# KiCad board hvd-68-hd-panel.kicad_pcb (continued)
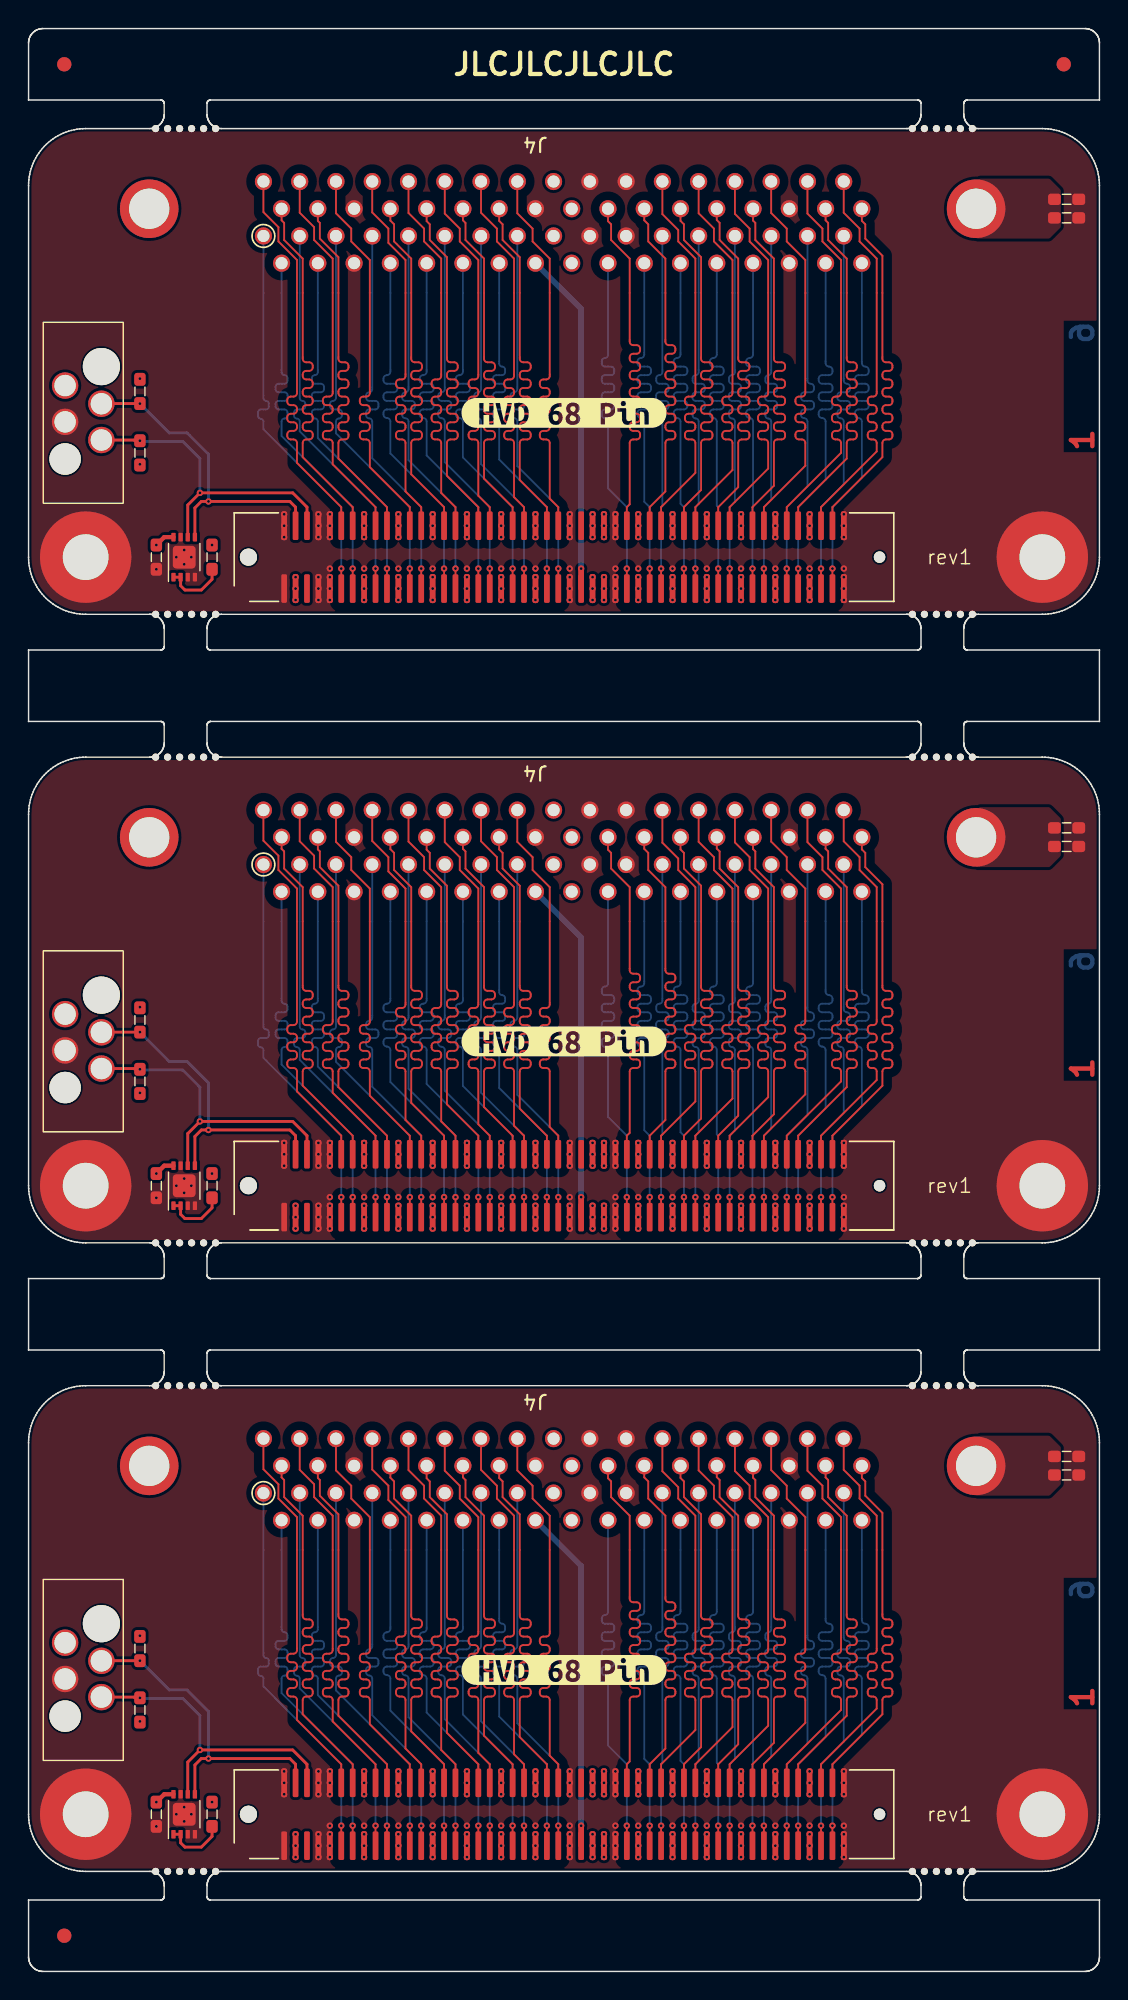
[diagram p0: board, top side]
## Routing (per net, layer and track width the routed paths; a pad name or vN(x,y) marks a point on that pad's centre or on a via; arc(x,y) is an arc through that point) (continued)
Board_0-/CON.DP1-: length 29.2
  Top w0.128: J4.39 21.53,123.07 22.6,122 22.6,121.1 23.9,119.8 23.9,110.48 arc(23.83,110.31) 23.66,110.24 23.44,110.24 arc(23.27,110.17) 23.2,110 23.2,109.88 arc(23.27,109.71) 23.44,109.64 23.66,109.64 arc(23.83,109.57) 23.9,109.4 23.9,109.28 arc(23.83,109.11) 23.66,109.04 23.44,109.04 arc(23.27,108.97) 23.2,108.8 23.2,108.68 arc(23.27,108.51) 23.44,108.44 23.66,108.44 arc(23.83,108.37) 23.9,108.2 23.9,108.08 arc(23.83,107.91) 23.66,107.84 23.44,107.84 arc(23.27,107.77) 23.2,107.6 23.2,107.48 arc(23.27,107.31) 23.44,107.24 23.66,107.24 arc(23.83,107.17) 23.9,107 23.9,105.3 26.7,102.5 J1#3.24
Board_0-/CON.I/O+: length 27.9
  Top w0.128: J1#3.85 v1(51.5,98.2)
  Bottom w0.128: J4.29 52.01,111.94 arc(51.95,111.8) 51.81,111.74 arc(51.66,111.68) 51.61,111.54 51.61,111.34 arc(51.66,111.2) 51.81,111.14 52.22,111.14 arc(52.36,111.08) 52.42,110.93 52.42,110.75 arc(52.36,110.6) 52.22,110.54 51.8,110.54 arc(51.66,110.48) 51.6,110.33 51.6,110.15 arc(51.66,110) 51.8,109.94 52.22,109.94 arc(52.36,109.88) 52.42,109.73 52.42,109.55 arc(52.36,109.4) 52.22,109.34 51.81,109.34 arc(51.66,109.28) 51.61,109.14 51.61,108.91 arc(51.66,108.76) 51.81,108.7 arc(51.95,108.64) 52.01,108.5 52.01,103.01 51.5,102.5 v1(51.5,98.2)
Board_0-/CON.I/O-: length 29.2
  Top w0.128: J4.63 52.01,123.09 53.1,122 53.1,121.1 54.4,119.8 54.4,110.48 arc(54.33,110.31) 54.16,110.24 53.95,110.24 arc(53.78,110.17) 53.71,110 53.71,109.88 arc(53.78,109.71) 53.95,109.64 54.16,109.64 arc(54.33,109.57) 54.4,109.4 54.4,109.28 arc(54.33,109.11) 54.16,109.04 53.95,109.04 arc(53.78,108.97) 53.71,108.8 53.71,108.68 arc(53.78,108.51) 53.95,108.44 54.16,108.44 arc(54.33,108.37) 54.4,108.2 54.4,108.08 arc(54.33,107.91) 54.16,107.84 53.95,107.84 arc(53.78,107.77) 53.71,107.6 53.71,107.48 arc(53.78,107.31) 53.95,107.24 54.16,107.24 arc(54.33,107.17) 54.4,107 54.4,105.4 51.5,102.5 J1#3.86
Board_0-/CON.MSG+: length 27.9
  Top w0.128: J1#3.73 v1(46.7,98.2)
  Bottom w0.128: J4.25 46.93,111.95 arc(46.87,111.8) 46.72,111.74 arc(46.57,111.68) 46.51,111.53 46.51,111.35 arc(46.57,111.2) 46.72,111.14 47.14,111.14 arc(47.3,111.08) 47.36,110.93 47.36,110.76 arc(47.3,110.6) 47.14,110.54 46.72,110.54 arc(46.56,110.48) 46.5,110.33 46.5,110.16 arc(46.56,110) 46.72,109.94 47.14,109.94 arc(47.3,109.88) 47.36,109.73 47.36,109.56 arc(47.3,109.4) 47.14,109.34 46.72,109.34 arc(46.57,109.28) 46.51,109.13 46.51,108.92 arc(46.57,108.77) 46.72,108.71 arc(46.87,108.65) 46.93,108.5 46.93,102.73 46.7,102.5 v1(46.7,98.2)
Board_0-/CON.MSG-: length 29.2
  Top w0.128: J1#3.74 46.7,102.5 49.3,105.1 49.3,107 arc(49.23,107.17) 49.06,107.24 48.83,107.24 arc(48.66,107.31) 48.59,107.48 48.59,107.6 arc(48.66,107.77) 48.83,107.84 49.06,107.84 arc(49.23,107.91) 49.3,108.08 49.3,108.2 arc(49.23,108.37) 49.06,108.44 48.83,108.44 arc(48.66,108.51) 48.59,108.68 48.59,108.8 arc(48.66,108.97) 48.83,109.04 49.06,109.04 arc(49.23,109.11) 49.3,109.28 49.3,109.4 arc(49.23,109.57) 49.06,109.64 48.83,109.64 arc(48.66,109.71) 48.59,109.88 48.59,110 arc(48.66,110.17) 48.83,110.24 49.06,110.24 arc(49.23,110.31) 49.3,110.48 49.3,119.8 48,121.1 48,122 46.93,123.07 J4.59
Board_0-/CON.REQ+: length 27.9
  Top w0.128: J1#3.83 v1(50.7,98.2)
  Bottom w0.128: J4.28 50.74,113.18 arc(50.67,113.01) 50.5,112.94 50.49,112.94 arc(50.32,112.87) 50.25,112.7 50.25,112.58 arc(50.32,112.41) 50.49,112.34 50.99,112.34 arc(51.16,112.27) 51.23,112.1 51.23,111.98 arc(51.16,111.81) 50.99,111.74 50.49,111.74 arc(50.32,111.67) 50.25,111.5 50.25,111.38 arc(50.32,111.21) 50.49,111.14 50.99,111.14 arc(51.16,111.07) 51.23,110.9 51.23,110.78 arc(51.16,110.61) 50.99,110.54 50.49,110.54 arc(50.32,110.47) 50.25,110.3 50.25,110.18 arc(50.32,110.01) 50.49,109.94 50.99,109.94 arc(51.16,109.87) 51.23,109.7 51.23,109.58 arc(51.16,109.41) 50.99,109.34 50.49,109.34 arc(50.32,109.27) 50.25,109.1 50.25,108.98 arc(50.32,108.81) 50.49,108.74 50.5,108.74 arc(50.67,108.67) 50.74,108.5 50.74,102.54 50.7,102.5 v1(50.7,98.2)
Board_0-/CON.REQ-: length 29.2
  Top w0.128: J4.62 50.74,122.56 50.9,122.4 50.9,121.2 52.2,119.9 52.2,112.88 arc(52.27,112.71) 52.44,112.64 52.75,112.64 arc(52.91,112.57) 52.99,112.4 52.99,112.28 arc(52.91,112.11) 52.75,112.04 52.44,112.04 arc(52.27,111.97) 52.2,111.8 52.2,111.68 arc(52.27,111.51) 52.44,111.44 52.75,111.44 arc(52.91,111.37) 52.99,111.2 52.99,111.08 arc(52.91,110.91) 52.75,110.84 52.44,110.84 arc(52.27,110.77) 52.2,110.6 52.2,110.48 arc(52.27,110.31) 52.44,110.24 52.75,110.24 arc(52.91,110.17) 52.99,110 52.99,109.88 arc(52.91,109.71) 52.75,109.64 52.44,109.64 arc(52.27,109.57) 52.2,109.4 52.2,109.28 arc(52.27,109.11) 52.44,109.04 52.75,109.04 arc(52.91,108.97) 52.99,108.8 52.99,108.68 arc(52.91,108.51) 52.75,108.44 52.44,108.44 arc(52.27,108.37) 52.2,108.2 52.2,108.08 arc(52.27,107.91) 52.44,107.84 52.75,107.84 arc(52.91,107.77) 52.99,107.6 52.99,107.48 arc(52.91,107.31) 52.75,107.24 52.44,107.24 arc(52.27,107.17) 52.2,107 52.2,104 50.7,102.5 J1#3.84
Board_0-/CON.RST+: length 27.9
  Top w0.128: J1#3.71 v1(45.9,98.2)
  Bottom w0.128: v1(45.9,98.2) 45.9,102.5 45.66,102.74 45.66,108.5 arc(45.59,108.67) 45.42,108.74 arc(45.25,108.81) 45.18,108.98 45.18,109.1 arc(45.25,109.27) 45.42,109.34 45.9,109.34 arc(46.07,109.41) 46.14,109.58 46.14,109.7 arc(46.07,109.87) 45.9,109.94 45.42,109.94 arc(45.25,110.01) 45.18,110.18 45.18,110.3 arc(45.25,110.47) 45.42,110.54 45.9,110.54 arc(46.07,110.61) 46.14,110.78 46.14,110.9 arc(46.07,111.07) 45.9,111.14 45.42,111.14 arc(45.25,111.21) 45.18,111.38 45.18,111.5 arc(45.25,111.67) 45.42,111.74 45.9,111.74 arc(46.07,111.81) 46.14,111.98 46.14,112.1 arc(46.07,112.27) 45.9,112.34 45.42,112.34 arc(45.25,112.41) 45.18,112.58 45.18,112.7 arc(45.25,112.87) 45.42,112.94 arc(45.59,113.01) 45.66,113.18 J4.24
Board_0-/CON.RST-: length 29.2
  Top w0.128: J4.58 45.66,122.54 45.9,122.3 45.9,121.2 47.1,120 47.1,112.88 arc(47.17,112.71) 47.34,112.64 47.66,112.64 arc(47.83,112.57) 47.9,112.4 47.9,112.28 arc(47.83,112.11) 47.66,112.04 47.34,112.04 arc(47.17,111.97) 47.1,111.8 47.1,111.68 arc(47.17,111.51) 47.34,111.44 47.66,111.44 arc(47.83,111.37) 47.9,111.2 47.9,111.08 arc(47.83,110.91) 47.66,110.84 47.34,110.84 arc(47.17,110.77) 47.1,110.6 47.1,110.48 arc(47.17,110.31) 47.34,110.24 47.66,110.24 arc(47.83,110.17) 47.9,110 47.9,109.88 arc(47.83,109.71) 47.66,109.64 47.34,109.64 arc(47.17,109.57) 47.1,109.4 47.1,109.28 arc(47.17,109.11) 47.34,109.04 47.66,109.04 arc(47.83,108.97) 47.9,108.8 47.9,108.68 arc(47.83,108.51) 47.66,108.44 47.34,108.44 arc(47.17,108.37) 47.1,108.2 47.1,108.08 arc(47.17,107.91) 47.34,107.84 47.66,107.84 arc(47.83,107.77) 47.9,107.6 47.9,107.48 arc(47.83,107.31) 47.66,107.24 47.34,107.24 arc(47.17,107.17) 47.1,107 47.1,103.7 45.9,102.5 J1#3.72
Board_0-/CON.SEL+: length 27.9
  Top w0.128: J1#3.77 v1(48.3,98.2)
  Bottom w0.128: J4.26 48.2,113.18 arc(48.13,113.01) 47.96,112.94 47.96,112.94 arc(47.79,112.87) 47.72,112.7 47.72,112.58 arc(47.79,112.41) 47.96,112.34 48.44,112.34 arc(48.61,112.27) 48.68,112.1 48.68,111.98 arc(48.61,111.81) 48.44,111.74 47.96,111.74 arc(47.79,111.67) 47.72,111.5 47.72,111.38 arc(47.79,111.21) 47.96,111.14 48.44,111.14 arc(48.61,111.07) 48.68,110.9 48.68,110.78 arc(48.61,110.61) 48.44,110.54 47.96,110.54 arc(47.79,110.47) 47.72,110.3 47.72,110.18 arc(47.79,110.01) 47.96,109.94 48.44,109.94 arc(48.61,109.87) 48.68,109.7 48.68,109.58 arc(48.61,109.41) 48.44,109.34 47.96,109.34 arc(47.79,109.27) 47.72,109.1 47.72,108.98 arc(47.79,108.81) 47.96,108.74 47.96,108.74 arc(48.13,108.67) 48.2,108.5 48.2,102.6 48.3,102.5 v1(48.3,98.2)
Board_0-/CON.SEL-: length 29.2
  Top w0.128: J4.60 48.2,122.6 48.4,122.4 48.4,121.2 49.7,119.9 49.7,112.88 arc(49.77,112.71) 49.94,112.64 50.25,112.64 arc(50.42,112.57) 50.49,112.4 50.49,112.28 arc(50.42,112.11) 50.25,112.04 49.94,112.04 arc(49.77,111.97) 49.7,111.8 49.7,111.68 arc(49.77,111.51) 49.94,111.44 50.25,111.44 arc(50.42,111.37) 50.49,111.2 50.49,111.08 arc(50.42,110.91) 50.25,110.84 49.94,110.84 arc(49.77,110.77) 49.7,110.6 49.7,110.48 arc(49.77,110.31) 49.94,110.24 50.25,110.24 arc(50.42,110.17) 50.49,110 50.49,109.88 arc(50.42,109.71) 50.25,109.64 49.94,109.64 arc(49.77,109.57) 49.7,109.4 49.7,109.28 arc(49.77,109.11) 49.94,109.04 50.25,109.04 arc(50.42,108.97) 50.49,108.8 50.49,108.68 arc(50.42,108.51) 50.25,108.44 49.94,108.44 arc(49.77,108.37) 49.7,108.2 49.7,108.08 arc(49.77,107.91) 49.94,107.84 50.25,107.84 arc(50.42,107.77) 50.49,107.6 50.49,107.48 arc(50.42,107.31) 50.25,107.24 49.94,107.24 arc(49.77,107.17) 49.7,107 49.7,103.9 48.3,102.5 J1#3.78
Board_0-/CON.TERMPWR:
  vias: v1(39.5,102) v1(39.5,101.2) v1(39.5,100.4) v1(39.5,97.6) v1(39.5,96.8) v1(39.5,96) v1(40.3,102) v1(40.3,101.2) v1(40.3,100.4) v1(40.3,97.6) v1(40.3,96.8) v1(40.3,96)
Board_0-/PHY.ID_SCL: length 22.5
  Top w0.2: v1(7.8,107.15) 7.45,107.15 7.4,107.2 J3#2.4 ; J1#3.6 19.5,102.5 18.5,103.5 v1(12,103.5) 11.15,102.65 U1#3.6
  Bottom w0.2: v1(12,103.5) 12,105.9 10.8,107.1 7.85,107.1 v1(7.8,107.15)
Board_0-/PHY.ID_SDA: length 23
  Top w0.2: v1(7.8,109.75) 5.11,109.75 J3#2.2 ; U1#3.5 11.65,102.45 12.1,102.9 18.3,102.9 18.7,102.5 J1#3.4
  Bottom w0.2: v1(7.8,109.75) 9.85,107.7 11.1,107.7 12.6,106.2 v1(12.6,102.9)
Board_0-GND:
  vias: v1(8.95,98.15) v1(10.35,99) v1(10.9,99.5) v1(10.9,98.5) v1(11.4,99) v1(17.9,102) v1(17.9,101.2) v1(17.9,100.4) v1(20.3,102) v1(20.3,101.2) v1(20.3,100.4) v1(20.3,97.6) v1(20.3,96.8) v1(20.3,96) v1(21.1,102) v1(21.1,101.2) v1(21.1,100.4) v1(21.1,98.2) v1(21.1,97.6) v1(21.1,96.8) v1(21.1,96) v1(23.5,102) v1(23.5,101.2) v1(23.5,100.4) v1(23.5,98.2) v1(23.5,97.6) v1(23.5,96.8) v1(23.5,96) v1(25.9,102) v1(25.9,101.2) v1(25.9,100.4) v1(25.9,98.2) v1(25.9,97.6) v1(25.9,96.8) v1(25.9,96) v1(28.3,102) v1(28.3,101.2) v1(28.3,100.4) v1(28.3,98.2) v1(28.3,97.6) v1(28.3,96.8) v1(28.3,96) v1(30.7,102) v1(30.7,101.2) v1(30.7,100.4) v1(30.7,98.2) v1(30.7,97.6) v1(30.7,96.8) v1(30.7,96) v1(33.1,102) v1(33.1,101.2) v1(33.1,100.4) v1(33.1,98.2) v1(33.1,97.6) v1(33.1,96.8) v1(33.1,96) v1(35.5,102) v1(35.5,101.2) v1(35.5,100.4) v1(35.5,98.2) v1(35.5,97.6) v1(35.5,96.8) v1(35.5,96) v1(37.9,102) v1(37.9,101.2) v1(37.9,100.4) v1(37.9,98.2) v1(37.9,97.6) v1(37.9,96.8) v1(37.9,96) v1(41.1,102) v1(41.1,101.2) v1(41.1,100.4) v1(41.1,98.2) v1(41.1,97.6) v1(41.1,96.8) v1(41.1,96) v1(42.7,102) v1(42.7,101.2) v1(42.7,100.4) v1(42.7,98.2) v1(42.7,97.6) v1(42.7,96.8) v1(42.7,96) v1(45.1,102) v1(45.1,101.2) v1(45.1,100.4) v1(45.1,98.2) v1(45.1,97.6) v1(45.1,96.8) v1(45.1,96) v1(47.5,102) v1(47.5,101.2) v1(47.5,100.4) v1(47.5,98.2) v1(47.5,97.6) v1(47.5,96.8) v1(47.5,96) v1(49.9,102) v1(49.9,101.2) v1(49.9,100.4) v1(49.9,98.2) v1(49.9,97.6) v1(49.9,96.8) v1(49.9,96) v1(52.3,102) v1(52.3,101.2) v1(52.3,100.4) v1(52.3,98.2) v1(52.3,97.6) v1(52.3,96.8) v1(52.3,96) v1(54.7,102) v1(54.7,101.2) v1(54.7,100.4) v1(54.7,98.2) v1(54.7,97.6) v1(54.7,96.8) v1(54.7,96) v1(57.1,102) v1(57.1,101.2) v1(57.1,100.4) v1(57.1,98.2) v1(57.1,97.6) v1(57.1,96.8) v1(57.1,96)
Board_0-Net-(U1-E0): length 4.4
  Top w0.2: U1#3.1 U1#3.2 10.65,97 10.95,96.7 12.1,96.7 12.85,97.45 R1.1
Board_1-+3V3: length 1.4
  Top w0.3: U1.8 9.5,56.4 v1(8.95,55.85)
  vias: v1(7.8,67.5) v1(7.8,61.5) v1(12.85,55.85) v1(18.7,53.6) v1(18.7,52.8) v1(18.7,52)
Board_1-/CON.ACK+: length 27.9
  Top w0.128: J1.67 v1(44.3,54.2)
  Bottom w0.128: v1(44.3,54.2) 44.3,58.5 44.39,58.59 44.39,64.5 arc(44.33,64.65) 44.17,64.72 arc(44.02,64.78) 43.96,64.93 43.96,65.13 arc(44.02,65.28) 44.17,65.34 44.61,65.34 arc(44.76,65.41) 44.83,65.56 44.83,65.72 arc(44.76,65.88) 44.61,65.94 44.17,65.94 arc(44.02,66.01) 43.95,66.16 43.95,66.32 arc(44.02,66.48) 44.17,66.54 44.61,66.54 arc(44.76,66.61) 44.83,66.76 44.83,66.92 arc(44.76,67.08) 44.61,67.14 44.17,67.14 arc(44.02,67.2) 43.96,67.36 43.96,67.53 arc(44.02,67.68) 44.17,67.74 arc(44.33,67.8) 44.39,67.96 J4#3.23
Board_1-/CON.ACK-: length 29.2
  Top w0.128: J4#3.57 44.39,79.01 45.5,77.9 45.5,77.1 46.7,75.9 46.7,66.48 arc(46.63,66.31) 46.46,66.24 46.21,66.24 arc(46.04,66.17) 45.97,66 45.97,65.88 arc(46.04,65.71) 46.21,65.64 46.46,65.64 arc(46.63,65.57) 46.7,65.4 46.7,65.28 arc(46.63,65.11) 46.46,65.04 46.21,65.04 arc(46.04,64.97) 45.97,64.8 45.97,64.68 arc(46.04,64.51) 46.21,64.44 46.46,64.44 arc(46.63,64.37) 46.7,64.2 46.7,64.08 arc(46.63,63.91) 46.46,63.84 46.21,63.84 arc(46.04,63.77) 45.97,63.6 45.97,63.48 arc(46.04,63.31) 46.21,63.24 46.46,63.24 arc(46.63,63.17) 46.7,63 46.7,60.9 44.3,58.5 J1.68
Board_1-/CON.ATN+: length 27.9
  Top w0.128: J1.61 v1(41.9,54.2)
  Bottom w0.128: J4#3.20 40.58,69.16 arc(40.52,69.01) 40.36,68.94 arc(40.21,68.88) 40.15,68.73 40.15,68.56 arc(40.21,68.41) 40.36,68.34 40.8,68.34 arc(40.95,68.28) 41.02,68.12 41.02,67.96 arc(40.95,67.81) 40.8,67.74 40.36,67.74 arc(40.21,67.68) 40.14,67.52 40.14,67.36 arc(40.21,67.21) 40.36,67.14 40.8,67.14 arc(40.95,67.08) 41.02,66.92 41.02,66.76 arc(40.95,66.61) 40.8,66.54 40.36,66.54 arc(40.21,66.48) 40.14,66.32 40.14,66.16 arc(40.21,66.01) 40.36,65.94 40.8,65.94 arc(40.95,65.88) 41.02,65.72 41.02,65.56 arc(40.95,65.41) 40.8,65.34 40.36,65.34 arc(40.21,65.28) 40.15,65.13 40.15,64.93 arc(40.21,64.78) 40.36,64.72 arc(40.52,64.65) 40.58,64.5 40.58,59.82 41.9,58.5 v1(41.9,54.2)
Board_1-/CON.ATN-: length 29.2
  Top w0.128: J1.62 41.9,58.5 42.1,58.7 42.1,63 arc(42.17,63.17) 42.34,63.24 42.59,63.24 arc(42.76,63.31) 42.83,63.48 42.83,63.6 arc(42.76,63.77) 42.59,63.84 42.34,63.84 arc(42.17,63.91) 42.1,64.08 42.1,64.2 arc(42.17,64.37) 42.34,64.44 42.59,64.44 arc(42.76,64.51) 42.83,64.68 42.83,64.8 arc(42.76,64.97) 42.59,65.04 42.34,65.04 arc(42.17,65.11) 42.1,65.28 42.1,65.4 arc(42.17,65.57) 42.34,65.64 42.59,65.64 arc(42.76,65.71) 42.83,65.88 42.83,66 arc(42.76,66.17) 42.59,66.24 42.34,66.24 arc(42.17,66.31) 42.1,66.48 42.1,66.6 arc(42.17,66.77) 42.34,66.84 42.59,66.84 arc(42.76,66.91) 42.83,67.08 42.83,67.2 arc(42.76,67.37) 42.59,67.44 42.34,67.44 arc(42.17,67.51) 42.1,67.68 42.1,67.8 arc(42.17,67.97) 42.34,68.04 42.59,68.04 arc(42.76,68.11) 42.83,68.28 42.83,68.4 arc(42.76,68.57) 42.59,68.64 42.34,68.64 arc(42.17,68.71) 42.1,68.88 42.1,69 arc(42.17,69.17) 42.34,69.24 42.59,69.24 arc(42.76,69.31) 42.83,69.48 42.83,69.6 arc(42.76,69.77) 42.59,69.84 42.34,69.84 arc(42.17,69.91) 42.1,70.08 42.1,75.9 40.8,77.2 40.8,78.3 40.58,78.52 J4#3.54
Board_1-/CON.BSY+: length 27.9
  Top w0.128: J1.65 v1(43.5,54.2)
  Bottom w0.128: J4#3.22 43.12,69.18 arc(43.05,69.01) 42.88,68.94 arc(42.72,68.87) 42.65,68.71 42.65,68.58 arc(42.72,68.41) 42.88,68.34 43.36,68.34 arc(43.52,68.27) 43.59,68.1 43.59,67.98 arc(43.52,67.81) 43.36,67.74 42.88,67.74 arc(42.72,67.67) 42.65,67.5 42.65,67.38 arc(42.72,67.21) 42.88,67.14 43.36,67.14 arc(43.52,67.07) 43.59,66.9 43.59,66.78 arc(43.52,66.61) 43.36,66.54 42.88,66.54 arc(42.72,66.47) 42.65,66.3 42.65,66.18 arc(42.72,66.01) 42.88,65.94 43.36,65.94 arc(43.52,65.87) 43.59,65.7 43.59,65.58 arc(43.52,65.41) 43.36,65.34 42.88,65.34 arc(42.72,65.27) 42.65,65.11 42.65,64.98 arc(42.72,64.81) 42.88,64.74 arc(43.05,64.67) 43.12,64.5 43.12,58.88 43.5,58.5 v1(43.5,54.2)
Board_1-/CON.BSY-: length 29.2
  Top w0.128: J4#3.56 43.12,78.58 43.4,78.3 43.4,77.1 44.6,75.9 44.6,70.08 arc(44.67,69.91) 44.84,69.84 45.06,69.84 arc(45.23,69.77) 45.3,69.6 45.3,69.48 arc(45.23,69.31) 45.06,69.24 44.84,69.24 arc(44.67,69.17) 44.6,69 44.6,68.88 arc(44.67,68.71) 44.84,68.64 45.06,68.64 arc(45.23,68.57) 45.3,68.4 45.3,68.28 arc(45.23,68.11) 45.06,68.04 44.84,68.04 arc(44.67,67.97) 44.6,67.8 44.6,67.68 arc(44.67,67.51) 44.84,67.44 45.06,67.44 arc(45.23,67.37) 45.3,67.2 45.3,67.08 arc(45.23,66.91) 45.06,66.84 44.84,66.84 arc(44.67,66.77) 44.6,66.6 44.6,66.48 arc(44.67,66.31) 44.84,66.24 45.06,66.24 arc(45.23,66.17) 45.3,66 45.3,65.88 arc(45.23,65.71) 45.06,65.64 44.84,65.64 arc(44.67,65.57) 44.6,65.4 44.6,65.28 arc(44.67,65.11) 44.84,65.04 45.06,65.04 arc(45.23,64.97) 45.3,64.8 45.3,64.68 arc(45.23,64.51) 45.06,64.44 44.84,64.44 arc(44.67,64.37) 44.6,64.2 44.6,64.08 arc(44.67,63.91) 44.84,63.84 45.06,63.84 arc(45.23,63.77) 45.3,63.6 45.3,63.48 arc(45.23,63.31) 45.06,63.24 44.84,63.24 arc(44.67,63.17) 44.6,63 44.6,59.6 43.5,58.5 J1.66
Board_1-/CON.C/D+: length 27.9
  Top w0.128: J1.79 v1(49.1,54.2)
  Bottom w0.128: J4#3.27 49.47,67.95 arc(49.41,67.8) 49.26,67.74 arc(49.12,67.68) 49.06,67.54 49.06,67.35 arc(49.12,67.2) 49.26,67.14 49.68,67.14 arc(49.83,67.08) 49.89,66.93 49.89,66.75 arc(49.83,66.6) 49.68,66.54 49.26,66.54 arc(49.11,66.48) 49.05,66.33 49.05,66.15 arc(49.11,66) 49.26,65.94 49.68,65.94 arc(49.83,65.88) 49.89,65.73 49.89,65.55 arc(49.83,65.4) 49.68,65.34 49.26,65.34 arc(49.12,65.28) 49.06,65.14 49.06,64.92 arc(49.12,64.77) 49.26,64.71 arc(49.41,64.65) 49.47,64.5 49.47,58.87 49.1,58.5 v1(49.1,54.2)
Board_1-/CON.C/D-: length 29.2
  Top w0.128: J1.80 49.1,58.5 51.8,61.2 51.8,63 arc(51.73,63.17) 51.56,63.24 51.33,63.24 arc(51.16,63.31) 51.09,63.48 51.09,63.6 arc(51.16,63.77) 51.33,63.84 51.56,63.84 arc(51.73,63.91) 51.8,64.08 51.8,64.2 arc(51.73,64.37) 51.56,64.44 51.33,64.44 arc(51.16,64.51) 51.09,64.68 51.09,64.8 arc(51.16,64.97) 51.33,65.04 51.56,65.04 arc(51.73,65.11) 51.8,65.28 51.8,65.4 arc(51.73,65.57) 51.56,65.64 51.33,65.64 arc(51.16,65.71) 51.09,65.88 51.09,66 arc(51.16,66.17) 51.33,66.24 51.56,66.24 arc(51.73,66.31) 51.8,66.48 51.8,75.8 50.5,77.1 50.5,78 49.47,79.03 J4#3.61
Board_1-/CON.DB0+: length 27.9
  Top w0.128: J1.25 v1(27.5,54.2)
  Bottom w0.128: v1(27.5,54.2) 27.5,58.5 24.07,61.93 24.07,64.5 arc(24.01,64.65) 23.86,64.72 arc(23.71,64.78) 23.64,64.93 23.64,65.13 arc(23.71,65.28) 23.86,65.34 24.29,65.34 arc(24.44,65.41) 24.5,65.56 24.5,65.72 arc(24.44,65.88) 24.29,65.94 23.86,65.94 arc(23.71,66) 23.64,66.16 23.64,66.33 arc(23.71,66.48) 23.86,66.54 arc(24.01,66.6) 24.07,66.76 J4#3.7
Board_1-/CON.DB0-: length 29.2
  Top w0.128: J1.26 27.5,58.5 26.4,59.6 26.4,63 arc(26.33,63.17) 26.16,63.24 25.97,63.24 arc(25.8,63.31) 25.73,63.48 25.73,63.6 arc(25.8,63.77) 25.97,63.84 26.16,63.84 arc(26.33,63.91) 26.4,64.08 26.4,64.2 arc(26.33,64.37) 26.16,64.44 25.97,64.44 arc(25.8,64.51) 25.73,64.68 25.73,64.8 arc(25.8,64.97) 25.97,65.04 26.16,65.04 arc(26.33,65.11) 26.4,65.28 26.4,65.4 arc(26.33,65.57) 26.16,65.64 25.97,65.64 arc(25.8,65.71) 25.73,65.88 25.73,66 arc(25.8,66.17) 25.97,66.24 26.16,66.24 arc(26.33,66.31) 26.4,66.48 26.4,66.6 arc(26.33,66.77) 26.16,66.84 25.97,66.84 arc(25.8,66.91) 25.73,67.08 25.73,67.2 arc(25.8,67.37) 25.97,67.44 26.16,67.44 arc(26.33,67.51) 26.4,67.68 26.4,75.8 25.2,77 25.2,78 24.07,79.13 J4#3.41
Board_1-/CON.DB1+: length 27.9
  Top w0.128: J1.29 v1(29.1,54.2)
  Bottom w0.128: v1(29.1,54.2) 29.1,58.5 25.34,62.26 25.34,64.5 arc(25.27,64.67) 25.1,64.74 25.1,64.74 arc(24.93,64.81) 24.86,64.98 24.86,65.1 arc(24.93,65.27) 25.1,65.34 25.58,65.34 arc(25.75,65.41) 25.82,65.58 25.82,65.7 arc(25.75,65.87) 25.58,65.94 25.1,65.94 arc(24.93,66.01) 24.86,66.18 24.86,66.3 arc(24.93,66.47) 25.1,66.54 25.58,66.54 arc(25.75,66.61) 25.82,66.78 25.82,66.9 arc(25.75,67.07) 25.58,67.14 25.1,67.14 arc(24.93,67.21) 24.86,67.38 24.86,67.5 arc(24.93,67.67) 25.1,67.74 25.1,67.74 arc(25.27,67.81) 25.34,67.98 J4#3.8
Board_1-/CON.DB1-: length 29.2
  Top w0.128: J1.30 29.1,58.5 26.8,60.8 26.8,63 arc(26.87,63.17) 27.04,63.24 27.31,63.24 arc(27.48,63.31) 27.55,63.48 27.55,63.6 arc(27.48,63.77) 27.31,63.84 27.04,63.84 arc(26.87,63.91) 26.8,64.08 26.8,64.2 arc(26.87,64.37) 27.04,64.44 27.31,64.44 arc(27.48,64.51) 27.55,64.68 27.55,64.8 arc(27.48,64.97) 27.31,65.04 27.04,65.04 arc(26.87,65.11) 26.8,65.28 26.8,65.4 arc(26.87,65.57) 27.04,65.64 27.31,65.64 arc(27.48,65.71) 27.55,65.88 27.55,66 arc(27.48,66.17) 27.31,66.24 27.04,66.24 arc(26.87,66.31) 26.8,66.48 26.8,66.6 arc(26.87,66.77) 27.04,66.84 27.31,66.84 arc(27.48,66.91) 27.55,67.08 27.55,67.2 arc(27.48,67.37) 27.31,67.44 27.04,67.44 arc(26.87,67.51) 26.8,67.68 26.8,67.8 arc(26.87,67.97) 27.04,68.04 27.31,68.04 arc(27.48,68.11) 27.55,68.28 27.55,68.4 arc(27.48,68.57) 27.31,68.64 27.04,68.64 arc(26.87,68.71) 26.8,68.88 26.8,75.9 25.6,77.1 25.6,78.3 25.34,78.56 J4#3.42
Board_1-/CON.DB2+: length 27.9
  Top w0.128: J1.31 v1(29.9,54.2)
  Bottom w0.128: J4#3.9 26.61,66.76 arc(26.55,66.61) 26.39,66.54 arc(26.23,66.48) 26.17,66.32 26.17,66.16 arc(26.23,66.01) 26.39,65.94 26.83,65.94 arc(26.99,65.88) 27.06,65.72 27.06,65.57 arc(26.99,65.41) 26.83,65.34 26.39,65.34 arc(26.23,65.28) 26.17,65.12 26.17,64.94 arc(26.23,64.79) 26.39,64.72 arc(26.55,64.66) 26.61,64.5 26.61,61.79 29.9,58.5 v1(29.9,54.2)
Board_1-/CON.DB2-: length 29.2
  Top w0.128: J1.32 29.9,58.5 28.9,59.5 28.9,63 arc(28.83,63.17) 28.66,63.24 28.47,63.24 arc(28.3,63.31) 28.23,63.48 28.23,63.6 arc(28.3,63.77) 28.47,63.84 28.66,63.84 arc(28.83,63.91) 28.9,64.08 28.9,64.2 arc(28.83,64.37) 28.66,64.44 28.47,64.44 arc(28.3,64.51) 28.23,64.68 28.23,64.8 arc(28.3,64.97) 28.47,65.04 28.66,65.04 arc(28.83,65.11) 28.9,65.28 28.9,65.4 arc(28.83,65.57) 28.66,65.64 28.47,65.64 arc(28.3,65.71) 28.23,65.88 28.23,66 arc(28.3,66.17) 28.47,66.24 28.66,66.24 arc(28.83,66.31) 28.9,66.48 28.9,66.6 arc(28.83,66.77) 28.66,66.84 28.47,66.84 arc(28.3,66.91) 28.23,67.08 28.23,67.2 arc(28.3,67.37) 28.47,67.44 28.66,67.44 arc(28.83,67.51) 28.9,67.68 28.9,75.9 27.7,77.1 27.7,78 26.61,79.09 J4#3.43
Board_1-/CON.DB3+: length 27.9
  Top w0.128: J1.35 v1(31.5,54.2)
  Bottom w0.128: v1(31.5,54.2) 31.5,58.5 27.88,62.12 27.88,64.5 arc(27.81,64.67) 27.64,64.74 27.63,64.74 arc(27.46,64.81) 27.39,64.98 27.39,65.1 arc(27.46,65.27) 27.63,65.34 28.13,65.34 arc(28.3,65.41) 28.37,65.58 28.37,65.7 arc(28.3,65.87) 28.13,65.94 27.63,65.94 arc(27.46,66.01) 27.39,66.18 27.39,66.3 arc(27.46,66.47) 27.63,66.54 28.13,66.54 arc(28.3,66.61) 28.37,66.78 28.37,66.9 arc(28.3,67.07) 28.13,67.14 27.63,67.14 arc(27.46,67.21) 27.39,67.38 27.39,67.5 arc(27.46,67.67) 27.63,67.74 27.64,67.74 arc(27.81,67.81) 27.88,67.98 J4#3.10
Board_1-/CON.DB3-: length 29.2
  Top w0.128: J4#3.44 27.88,78.52 28.1,78.3 28.1,77.2 29.3,76 29.3,68.88 arc(29.37,68.71) 29.54,68.64 29.82,68.64 arc(29.99,68.57) 30.06,68.4 30.06,68.28 arc(29.99,68.11) 29.82,68.04 29.54,68.04 arc(29.37,67.97) 29.3,67.8 29.3,67.68 arc(29.37,67.51) 29.54,67.44 29.82,67.44 arc(29.99,67.37) 30.06,67.2 30.06,67.08 arc(29.99,66.91) 29.82,66.84 29.54,66.84 arc(29.37,66.77) 29.3,66.6 29.3,66.48 arc(29.37,66.31) 29.54,66.24 29.82,66.24 arc(29.99,66.17) 30.06,66 30.06,65.88 arc(29.99,65.71) 29.82,65.64 29.54,65.64 arc(29.37,65.57) 29.3,65.4 29.3,65.28 arc(29.37,65.11) 29.54,65.04 29.82,65.04 arc(29.99,64.97) 30.06,64.8 30.06,64.68 arc(29.99,64.51) 29.82,64.44 29.54,64.44 arc(29.37,64.37) 29.3,64.2 29.3,64.08 arc(29.37,63.91) 29.54,63.84 29.82,63.84 arc(29.99,63.77) 30.06,63.6 30.06,63.48 arc(29.99,63.31) 29.82,63.24 29.54,63.24 arc(29.37,63.17) 29.3,63 29.3,60.7 31.5,58.5 J1.36
Board_1-/CON.DB4+: length 27.9
  Top w0.128: J1.37 v1(32.3,54.2)
  Bottom w0.128: v1(32.3,54.2) 32.3,58.5 29.15,61.65 29.15,64.5 arc(29.08,64.66) 28.92,64.73 arc(28.76,64.8) 28.69,64.96 28.69,65.11 arc(28.76,65.28) 28.92,65.34 29.38,65.34 arc(29.54,65.41) 29.61,65.57 29.61,65.71 arc(29.54,65.87) 29.38,65.94 28.92,65.94 arc(28.76,66.01) 28.69,66.17 28.69,66.31 arc(28.76,66.48) 28.92,66.54 arc(29.08,66.61) 29.15,66.77 J4#3.11
Board_1-/CON.DB4-: length 29.2
  Top w0.128: J4#3.45 29.15,79.05 30.2,78 30.2,77.1 31.5,75.8 31.5,67.68 arc(31.43,67.51) 31.26,67.44 31.06,67.44 arc(30.89,67.37) 30.82,67.2 30.82,67.08 arc(30.89,66.91) 31.06,66.84 31.26,66.84 arc(31.43,66.77) 31.5,66.6 31.5,66.48 arc(31.43,66.31) 31.26,66.24 31.06,66.24 arc(30.89,66.17) 30.82,66 30.82,65.88 arc(30.89,65.71) 31.06,65.64 31.26,65.64 arc(31.43,65.57) 31.5,65.4 31.5,65.28 arc(31.43,65.11) 31.26,65.04 31.06,65.04 arc(30.89,64.97) 30.82,64.8 30.82,64.68 arc(30.89,64.51) 31.06,64.44 31.26,64.44 arc(31.43,64.37) 31.5,64.2 31.5,64.08 arc(31.43,63.91) 31.26,63.84 31.06,63.84 arc(30.89,63.77) 30.82,63.6 30.82,63.48 arc(30.89,63.31) 31.06,63.24 31.26,63.24 arc(31.43,63.17) 31.5,63 31.5,59.3 32.3,58.5 J1.38
Board_1-/CON.DB5+: length 27.9
  Top w0.128: J1.41 v1(33.9,54.2)
  Bottom w0.128: J4#3.12 30.42,67.98 arc(30.35,67.81) 30.18,67.74 30.16,67.74 arc(29.99,67.67) 29.92,67.5 29.92,67.38 arc(29.99,67.21) 30.16,67.14 30.68,67.14 arc(30.85,67.07) 30.92,66.9 30.92,66.78 arc(30.85,66.61) 30.68,66.54 30.16,66.54 arc(29.99,66.47) 29.92,66.3 29.92,66.18 arc(29.99,66.01) 30.16,65.94 30.68,65.94 arc(30.85,65.87) 30.92,65.7 30.92,65.58 arc(30.85,65.41) 30.68,65.34 30.16,65.34 arc(29.99,65.27) 29.92,65.1 29.92,64.98 arc(29.99,64.81) 30.16,64.74 30.18,64.74 arc(30.35,64.67) 30.42,64.5 30.42,61.98 33.9,58.5 v1(33.9,54.2)
Board_1-/CON.DB5-: length 29.2
  Top w0.128: J4#3.46 30.42,78.58 30.6,78.4 30.6,77.2 31.9,75.9 31.9,68.88 arc(31.97,68.71) 32.14,68.64 32.42,68.64 arc(32.59,68.57) 32.66,68.4 32.66,68.28 arc(32.59,68.11) 32.42,68.04 32.14,68.04 arc(31.97,67.97) 31.9,67.8 31.9,67.68 arc(31.97,67.51) 32.14,67.44 32.42,67.44 arc(32.59,67.37) 32.66,67.2 32.66,67.08 arc(32.59,66.91) 32.42,66.84 32.14,66.84 arc(31.97,66.77) 31.9,66.6 31.9,66.48 arc(31.97,66.31) 32.14,66.24 32.42,66.24 arc(32.59,66.17) 32.66,66 32.66,65.88 arc(32.59,65.71) 32.42,65.64 32.14,65.64 arc(31.97,65.57) 31.9,65.4 31.9,65.28 arc(31.97,65.11) 32.14,65.04 32.42,65.04 arc(32.59,64.97) 32.66,64.8 32.66,64.68 arc(32.59,64.51) 32.42,64.44 32.14,64.44 arc(31.97,64.37) 31.9,64.2 31.9,64.08 arc(31.97,63.91) 32.14,63.84 32.42,63.84 arc(32.59,63.77) 32.66,63.6 32.66,63.48 arc(32.59,63.31) 32.42,63.24 32.14,63.24 arc(31.97,63.17) 31.9,63 31.9,60.5 33.9,58.5 J1.42